# Altium PCB top_INA_v1.PcbDoc (part 4 of 4)
Units mil, origin at the board's own origin, x right, y up, seen from the top; angles counter-clockwise.
Board outline 13413.03 x 6200.01 mil, 2 copper layers (Top Layer, Bottom Layer); 588 components, 500 nets, 1582 pads, 343 vias.
Unrouted connection lines stored in the file: 191.
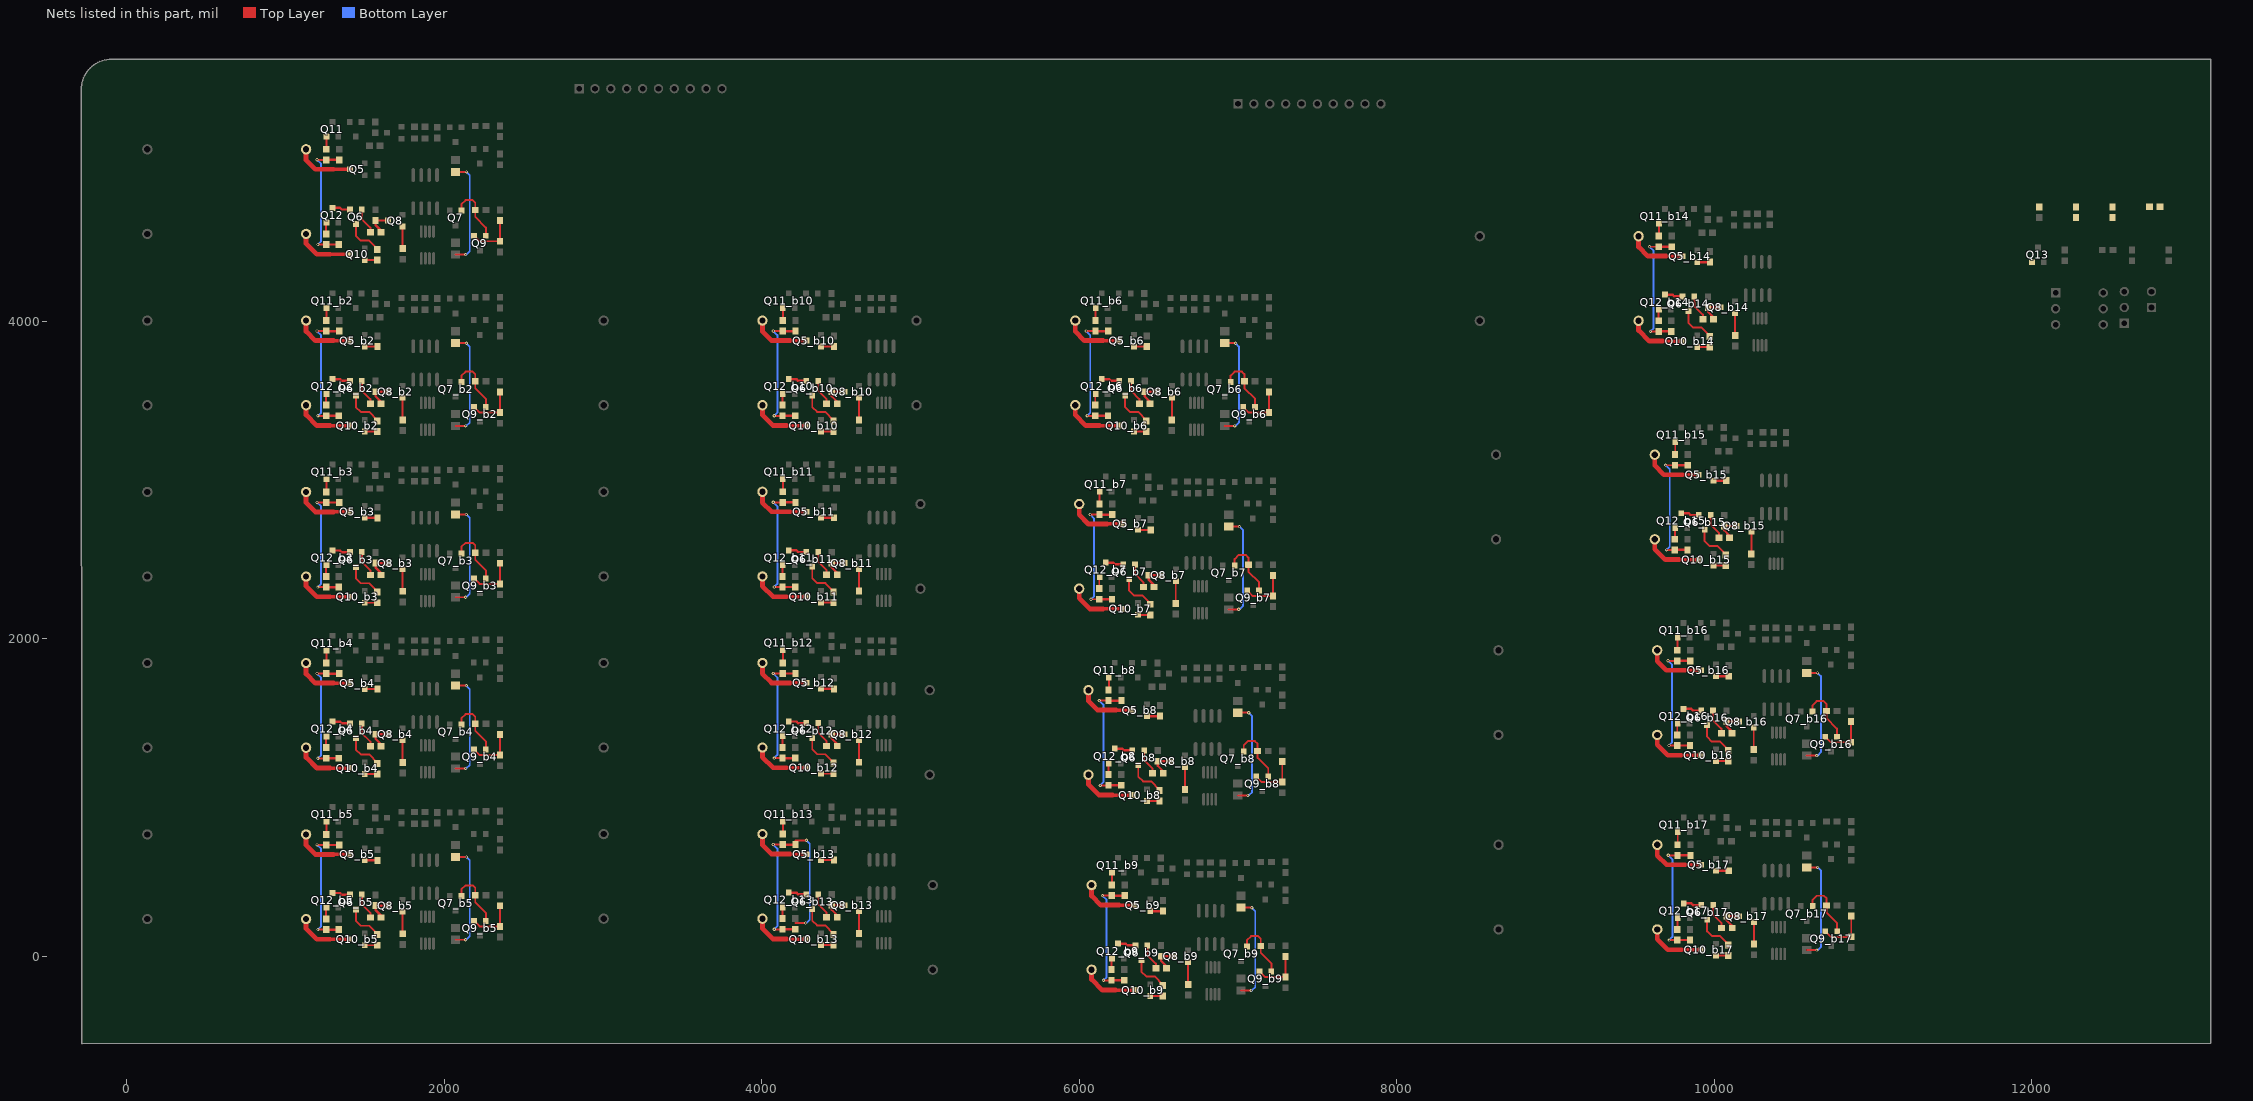
[diagram p4: the nets of this part, all layers, seen from the top]

## Via types
v1: diameter 20, hole 10, Top Layer to Bottom Layer, 290 vias
v2: diameter 40, hole 20, Top Layer to Bottom Layer, 51 vias
v3: diameter 125.98, hole 125.98, Top Layer to Bottom Layer, 2 vias

## Nets (pads, with @x,y where several pads share a name; then routed paths per layer and width w, separated by ;. In a path a pad name is that pad's centre, name@x,y a point inside that pad or via, vN(x,y) a via of type N, cw(c..) or ccw(c..) an arc to the next point about the centre after c; other vN are vias at no path point) (continued)
NetQ5_3: Q5.3 R1.1 | length 368.5
  Top Layer w22: 1305.72,4956.54 Q5.3@1407.61,4956.53
  Top Layer w30: R1.1@1131,5082.26 1131,5014.26 1188.72,4956.54 1305.72,4956.54
NetQ5_b2_1: Q5_b2.1 R11_b2.1 | length 80.5
  Top Layer w15: Q5_b2.1@1500.46,3839.8 R11_b2.1@1581,3839.8
NetQ5_b2_3: Q5_b2.3 R1_b2.1 | length 368.5
  Top Layer w22: 1305.72,3877.54 Q5_b2.3@1407.61,3877.53
  Top Layer w30: R1_b2.1@1131,4003.26 1131,3935.26 1188.72,3877.54 1305.72,3877.54
NetQ5_b3_1: Q5_b3.1 R11_b3.1 | length 80.5
  Top Layer w15: Q5_b3.1@1500.46,2760.8 R11_b3.1@1581,2760.8
NetQ5_b3_3: Q5_b3.3 R1_b3.1 | length 368.5
  Top Layer w22: 1305.72,2798.54 Q5_b3.3@1407.61,2798.53
  Top Layer w30: R1_b3.1@1131,2924.26 1131,2856.26 1188.72,2798.54 1305.72,2798.54
NetQ5_b4_1: Q5_b4.1 R11_b4.1 | length 80.5
  Top Layer w15: Q5_b4.1@1500.46,1682.8 R11_b4.1@1581,1682.8
NetQ5_b4_3: Q5_b4.3 R1_b4.1 | length 368.5
  Top Layer w22: 1305.72,1720.54 Q5_b4.3@1407.61,1720.53
  Top Layer w30: R1_b4.1@1131,1846.26 1131,1778.26 1188.72,1720.54 1305.72,1720.54
NetQ5_b5_1: Q5_b5.1 R11_b5.1 | length 80.5
  Top Layer w15: Q5_b5.1@1500.46,603.8 R11_b5.1@1581,603.8
NetQ5_b5_3: Q5_b5.3 R1_b5.1 | length 368.5
  Top Layer w22: 1305.72,641.54 Q5_b5.3@1407.61,641.53
  Top Layer w30: R1_b5.1@1131,767.26 1131,699.26 1188.72,641.54 1305.72,641.54
NetQ5_b6_1: Q5_b6.1 R11_b6.1 | length 80.5
  Top Layer w15: Q5_b6.1@6344.46,3839.8 R11_b6.1@6425,3839.8
NetQ5_b6_3: Q5_b6.3 R1_b6.1 | length 368.5
  Top Layer w22: 6149.72,3877.54 Q5_b6.3@6251.61,3877.53
  Top Layer w30: R1_b6.1@5975,4003.26 5975,3935.26 6032.72,3877.54 6149.72,3877.54
NetQ5_b7_1: Q5_b7.1 R11_b7.1 | length 80.5
  Top Layer w15: Q5_b7.1@6369.46,2684.54 R11_b7.1@6450,2684.54
NetQ5_b7_3: Q5_b7.3 R1_b7.1 | length 368.5
  Top Layer w22: 6174.72,2722.28 Q5_b7.3@6276.61,2722.28
  Top Layer w30: R1_b7.1@6000,2848 6000,2780 6057.72,2722.28 6174.72,2722.28
NetQ5_b8_1: Q5_b8.1 R11_b8.1 | length 80.5
  Top Layer w15: Q5_b8.1@6427.46,1512.54 R11_b8.1@6508,1512.54
NetQ5_b8_3: Q5_b8.3 R1_b8.1 | length 368.5
  Top Layer w22: 6232.72,1550.28 Q5_b8.3@6334.61,1550.27
  Top Layer w30: R1_b8.1@6058,1676 6058,1608 6115.72,1550.28 6232.72,1550.28
NetQ5_b9_1: Q5_b9.1 R11_b9.1 | length 80.5
  Top Layer w15: Q5_b9.1@6447.46,284.54 R11_b9.1@6528,284.54
NetQ5_b9_3: Q5_b9.3 R1_b9.1 | length 368.5
  Top Layer w22: 6252.72,322.28 Q5_b9.3@6354.61,322.28
  Top Layer w30: R1_b9.1@6078,448 6078,380 6135.72,322.28 6252.72,322.28
NetQ5_b10_1: Q5_b10.1 R11_b10.1 | length 80.5
  Top Layer w15: Q5_b10.1@4374.46,3839.8 R11_b10.1@4455,3839.8
NetQ5_b10_3: Q5_b10.3 R1_b10.1 | length 368.5
  Top Layer w22: 4179.72,3877.54 Q5_b10.3@4281.61,3877.53
  Top Layer w30: R1_b10.1@4005,4003.26 4005,3935.26 4062.72,3877.54 4179.72,3877.54
NetQ5_b11_1: Q5_b11.1 R11_b11.1 | length 80.5
  Top Layer w15: Q5_b11.1@4374.46,2761.8 R11_b11.1@4455,2761.8
NetQ5_b11_3: Q5_b11.3 R1_b11.1 | length 368.5
  Top Layer w22: 4179.72,2799.54 Q5_b11.3@4281.61,2799.53
  Top Layer w30: R1_b11.1@4005,2925.26 4005,2857.26 4062.72,2799.54 4179.72,2799.54
NetQ5_b12_1: Q5_b12.1 R11_b12.1 | length 80.5
  Top Layer w15: Q5_b12.1@4374.46,1683.8 R11_b12.1@4455,1683.8
NetQ5_b12_3: Q5_b12.3 R1_b12.1 | length 368.5
  Top Layer w22: 4179.72,1721.54 Q5_b12.3@4281.61,1721.53
  Top Layer w30: R1_b12.1@4005,1847.26 4005,1779.26 4062.72,1721.54 4179.72,1721.54
NetQ5_b13_1: Q5_b13.1 R11_b13.1 | length 80.5
  Top Layer w15: Q5_b13.1@4374.46,605.8 R11_b13.1@4455,605.8
NetQ5_b13_3: Q5_b13.3 R1_b13.1 | length 368.5
  Top Layer w22: 4179.72,643.54 Q5_b13.3@4281.61,643.53
  Top Layer w30: R1_b13.1@4005,769.26 4005,701.26 4062.72,643.54 4179.72,643.54
NetQ5_b14_1: Q5_b14.1 R11_b14.1 | length 80.5
  Top Layer w15: Q5_b14.1@9892.46,4371.54 R11_b14.1@9973,4371.54
NetQ5_b14_3: Q5_b14.3 R1_b14.1 | length 368.5
  Top Layer w22: 9697.72,4409.28 Q5_b14.3@9799.61,4409.27
  Top Layer w30: R1_b14.1@9523,4535 9523,4467 9580.72,4409.28 9697.72,4409.28
NetQ5_b15_1: Q5_b15.1 R11_b15.1 | length 80.5
  Top Layer w15: Q5_b15.1@9994.46,2995.28 R11_b15.1@10075,2995.28
NetQ5_b15_3: Q5_b15.3 R1_b15.1 | length 368.5
  Top Layer w22: 9799.72,3033.02 Q5_b15.3@9901.61,3033.02
  Top Layer w30: R1_b15.1@9625,3158.74 9625,3090.74 9682.72,3033.02 9799.72,3033.02
NetQ5_b16_1: Q5_b16.1 R11_b16.1 | length 80.5
  Top Layer w15: Q5_b16.1@10009.46,1763.54 R11_b16.1@10090,1763.54
NetQ5_b16_3: Q5_b16.3 R1_b16.1 | length 368.5
  Top Layer w22: 9814.72,1801.28 Q5_b16.3@9916.61,1801.28
  Top Layer w30: R1_b16.1@9640,1927 9640,1859 9697.72,1801.28 9814.72,1801.28
NetQ5_b17_1: Q5_b17.1 R11_b17.1 | length 80.5
  Top Layer w15: Q5_b17.1@10010.46,538.28 R11_b17.1@10091,538.28
NetQ5_b17_3: Q5_b17.3 R1_b17.1 | length 368.5
  Top Layer w22: 9815.72,576.02 Q5_b17.3@9917.61,576.02
  Top Layer w30: R1_b17.1@9641,701.74 9641,633.74 9698.72,576.02 9815.72,576.02
NetQ6_1: Q6.1 R37.2 | length 165.8
  Top Layer w12: Q6.1@1482.27,4702.8 1482.27,4641.6 1535.4,4588.46 R37.2@1535.4,4559
NetQ6_2: Q6.2 Q12.3 | length 114.9
  Top Layer w15: Q12.3@1297,4713.52 1344.74,4713.52 1355.46,4702.8 Q6.2@1407.46,4702.8
NetQ6_3: Q6.3 R23.2 | length 244.9
  Top Layer w12: Q6.3@1444.87,4610.28 1444.87,4537.54 1475.4,4507 1527.25,4507 1578.25,4456 R23.2@1578.25,4451
NetQ6_b2_1: Q6_b2.1 R37_b2.2 | length 165.8
  Top Layer w12: Q6_b2.1@1482.27,3623.8 1482.27,3562.6 1535.4,3509.46 R37_b2.2@1535.4,3480
NetQ6_b2_2: Q6_b2.2 Q12_b2.3 | length 114.9
  Top Layer w15: Q12_b2.3@1297,3634.52 1344.74,3634.52 1355.46,3623.8 Q6_b2.2@1407.46,3623.8
NetQ6_b2_3: Q6_b2.3 R23_b2.2 | length 244.9
  Top Layer w12: Q6_b2.3@1444.87,3531.28 1444.87,3458.54 1475.4,3428 1527.25,3428 1578.25,3377 R23_b2.2@1578.25,3372
NetQ6_b3_1: Q6_b3.1 R37_b3.2 | length 165.8
  Top Layer w12: Q6_b3.1@1482.27,2544.8 1482.27,2483.6 1535.4,2430.46 R37_b3.2@1535.4,2401
NetQ6_b3_2: Q6_b3.2 Q12_b3.3 | length 114.9
  Top Layer w15: Q12_b3.3@1297,2555.52 1344.74,2555.52 1355.46,2544.8 Q6_b3.2@1407.46,2544.8
NetQ6_b3_3: Q6_b3.3 R23_b3.2 | length 244.9
  Top Layer w12: Q6_b3.3@1444.87,2452.28 1444.87,2379.54 1475.4,2349 1527.25,2349 1578.25,2298 R23_b3.2@1578.25,2293
NetQ6_b4_1: Q6_b4.1 R37_b4.2 | length 165.8
  Top Layer w12: Q6_b4.1@1482.27,1466.8 1482.27,1405.6 1535.4,1352.46 R37_b4.2@1535.4,1323
NetQ6_b4_2: Q6_b4.2 Q12_b4.3 | length 114.9
  Top Layer w15: Q12_b4.3@1297,1477.52 1344.74,1477.52 1355.46,1466.8 Q6_b4.2@1407.46,1466.8
NetQ6_b4_3: Q6_b4.3 R23_b4.2 | length 244.9
  Top Layer w12: Q6_b4.3@1444.87,1374.28 1444.87,1301.54 1475.4,1271 1527.25,1271 1578.25,1220 R23_b4.2@1578.25,1215
NetQ6_b5_1: Q6_b5.1 R37_b5.2 | length 165.8
  Top Layer w12: Q6_b5.1@1482.27,387.8 1482.27,326.6 1535.4,273.46 R37_b5.2@1535.4,244
NetQ6_b5_2: Q6_b5.2 Q12_b5.3 | length 114.9
  Top Layer w15: Q12_b5.3@1297,398.52 1344.74,398.52 1355.46,387.8 Q6_b5.2@1407.46,387.8
NetQ6_b5_3: Q6_b5.3 R23_b5.2 | length 244.9
  Top Layer w12: Q6_b5.3@1444.87,295.28 1444.87,222.54 1475.4,192 1527.25,192 1578.25,141 R23_b5.2@1578.25,136
NetQ6_b6_1: Q6_b6.1 R37_b6.2 | length 165.8
  Top Layer w12: Q6_b6.1@6326.27,3623.8 6326.27,3562.6 6379.4,3509.46 R37_b6.2@6379.4,3480
NetQ6_b6_2: Q6_b6.2 Q12_b6.3 | length 114.9
  Top Layer w15: Q12_b6.3@6141,3634.52 6188.74,3634.52 6199.46,3623.8 Q6_b6.2@6251.46,3623.8
NetQ6_b6_3: Q6_b6.3 R23_b6.2 | length 244.9
  Top Layer w12: Q6_b6.3@6288.87,3531.28 6288.87,3458.54 6319.4,3428 6371.25,3428 6422.25,3377 R23_b6.2@6422.25,3372
NetQ6_b7_1: Q6_b7.1 R37_b7.2 | length 165.8
  Top Layer w12: Q6_b7.1@6351.27,2468.54 6351.27,2407.34 6404.4,2354.2 R37_b7.2@6404.4,2324.74
NetQ6_b7_2: Q6_b7.2 Q12_b7.3 | length 114.9
  Top Layer w15: Q12_b7.3@6166,2479.26 6213.74,2479.26 6224.46,2468.54 Q6_b7.2@6276.46,2468.54
NetQ6_b7_3: Q6_b7.3 R23_b7.2 | length 244.9
  Top Layer w12: Q6_b7.3@6313.87,2376.02 6313.87,2303.28 6344.4,2272.74 6396.25,2272.74 6447.25,2221.74 R23_b7.2@6447.25,2216.74
NetQ6_b8_1: Q6_b8.1 R37_b8.2 | length 165.8
  Top Layer w12: Q6_b8.1@6409.27,1296.54 6409.27,1235.34 6462.4,1182.2 R37_b8.2@6462.4,1152.74
NetQ6_b8_2: Q6_b8.2 Q12_b8.3 | length 114.9
  Top Layer w15: Q12_b8.3@6224,1307.26 6271.74,1307.26 6282.46,1296.54 Q6_b8.2@6334.46,1296.54
NetQ6_b8_3: Q6_b8.3 R23_b8.2 | length 244.9
  Top Layer w12: Q6_b8.3@6371.87,1204.02 6371.87,1131.28 6402.4,1100.74 6454.25,1100.74 6505.25,1049.74 R23_b8.2@6505.25,1044.74
NetQ6_b9_1: Q6_b9.1 R37_b9.2 | length 165.8
  Top Layer w12: Q6_b9.1@6429.27,68.54 6429.27,7.34 6482.4,-45.8 R37_b9.2@6482.4,-75.26
NetQ6_b9_2: Q6_b9.2 Q12_b9.3 | length 114.9
  Top Layer w15: Q12_b9.3@6244,79.26 6291.74,79.26 6302.46,68.54 Q6_b9.2@6354.46,68.54
NetQ6_b9_3: Q6_b9.3 R23_b9.2 | length 244.9
  Top Layer w12: Q6_b9.3@6391.87,-23.98 6391.87,-96.72 6422.4,-127.26 6474.25,-127.26 6525.25,-178.26 R23_b9.2@6525.25,-183.26
NetQ6_b10_1: Q6_b10.1 R37_b10.2 | length 165.8
  Top Layer w12: Q6_b10.1@4356.27,3623.8 4356.27,3562.6 4409.4,3509.46 R37_b10.2@4409.4,3480
NetQ6_b10_2: Q6_b10.2 Q12_b10.3 | length 114.9
  Top Layer w15: Q12_b10.3@4171,3634.52 4218.74,3634.52 4229.46,3623.8 Q6_b10.2@4281.46,3623.8
NetQ6_b10_3: Q6_b10.3 R23_b10.2 | length 244.9
  Top Layer w12: Q6_b10.3@4318.87,3531.28 4318.87,3458.54 4349.4,3428 4401.25,3428 4452.25,3377 R23_b10.2@4452.25,3372
NetQ6_b11_1: Q6_b11.1 R37_b11.2 | length 165.8
  Top Layer w12: Q6_b11.1@4356.27,2545.8 4356.27,2484.6 4409.4,2431.46 R37_b11.2@4409.4,2402
NetQ6_b11_2: Q6_b11.2 Q12_b11.3 | length 114.9
  Top Layer w15: Q12_b11.3@4171,2556.52 4218.74,2556.52 4229.46,2545.8 Q6_b11.2@4281.46,2545.8
NetQ6_b11_3: Q6_b11.3 R23_b11.2 | length 244.9
  Top Layer w12: Q6_b11.3@4318.87,2453.28 4318.87,2380.54 4349.4,2350 4401.25,2350 4452.25,2299 R23_b11.2@4452.25,2294
NetQ6_b12_1: Q6_b12.1 R37_b12.2 | length 165.8
  Top Layer w12: Q6_b12.1@4356.27,1467.8 4356.27,1406.6 4409.4,1353.46 R37_b12.2@4409.4,1324
NetQ6_b12_2: Q6_b12.2 Q12_b12.3 | length 114.9
  Top Layer w15: Q12_b12.3@4171,1478.52 4218.74,1478.52 4229.46,1467.8 Q6_b12.2@4281.46,1467.8
NetQ6_b12_3: Q6_b12.3 R23_b12.2 | length 244.9
  Top Layer w12: Q6_b12.3@4318.87,1375.28 4318.87,1302.54 4349.4,1272 4401.25,1272 4452.25,1221 R23_b12.2@4452.25,1216
NetQ6_b13_1: Q6_b13.1 R37_b13.2 | length 165.8
  Top Layer w12: Q6_b13.1@4356.27,389.8 4356.27,328.6 4409.4,275.46 R37_b13.2@4409.4,246
NetQ6_b13_2: Q6_b13.2 Q12_b13.3 | length 114.9
  Top Layer w15: Q12_b13.3@4171,400.52 4218.74,400.52 4229.46,389.8 Q6_b13.2@4281.46,389.8
NetQ6_b13_3: Q6_b13.3 R23_b13.2 | length 244.9
  Top Layer w12: Q6_b13.3@4318.87,297.28 4318.87,224.54 4349.4,194 4401.25,194 4452.25,143 R23_b13.2@4452.25,138
NetQ6_b14_1: Q6_b14.1 R37_b14.2 | length 165.8
  Top Layer w12: Q6_b14.1@9874.27,4155.54 9874.27,4094.34 9927.4,4041.2 R37_b14.2@9927.4,4011.74
NetQ6_b14_2: Q6_b14.2 Q12_b14.3 | length 114.9
  Top Layer w15: Q12_b14.3@9689,4166.26 9736.74,4166.26 9747.46,4155.54 Q6_b14.2@9799.46,4155.54
NetQ6_b14_3: Q6_b14.3 R23_b14.2 | length 244.9
  Top Layer w12: Q6_b14.3@9836.87,4063.02 9836.87,3990.28 9867.4,3959.74 9919.25,3959.74 9970.25,3908.74 R23_b14.2@9970.25,3903.74
NetQ6_b15_1: Q6_b15.1 R37_b15.2 | length 165.8
  Top Layer w12: Q6_b15.1@9976.27,2779.28 9976.27,2718.08 10029.4,2664.94 R37_b15.2@10029.4,2635.48
NetQ6_b15_2: Q6_b15.2 Q12_b15.3 | length 114.9
  Top Layer w15: Q12_b15.3@9791,2790 9838.74,2790 9849.46,2779.28 Q6_b15.2@9901.46,2779.28
NetQ6_b15_3: Q6_b15.3 R23_b15.2 | length 244.9
  Top Layer w12: Q6_b15.3@9938.87,2686.76 9938.87,2614.02 9969.4,2583.48 10021.25,2583.48 10072.25,2532.48 R23_b15.2@10072.25,2527.48
NetQ6_b16_1: Q6_b16.1 R37_b16.2 | length 165.8
  Top Layer w12: Q6_b16.1@9991.27,1547.54 9991.27,1486.34 10044.4,1433.2 R37_b16.2@10044.4,1403.74
NetQ6_b16_2: Q6_b16.2 Q12_b16.3 | length 114.9
  Top Layer w15: Q12_b16.3@9806,1558.26 9853.74,1558.26 9864.46,1547.54 Q6_b16.2@9916.46,1547.54
NetQ6_b16_3: Q6_b16.3 R23_b16.2 | length 244.9
  Top Layer w12: Q6_b16.3@9953.87,1455.02 9953.87,1382.28 9984.4,1351.74 10036.25,1351.74 10087.25,1300.74 R23_b16.2@10087.25,1295.74
NetQ6_b17_1: Q6_b17.1 R37_b17.2 | length 165.8
  Top Layer w12: Q6_b17.1@9992.27,322.28 9992.27,261.08 10045.4,207.94 R37_b17.2@10045.4,178.48
NetQ6_b17_2: Q6_b17.2 Q12_b17.3 | length 114.9
  Top Layer w15: Q12_b17.3@9807,333 9854.74,333 9865.46,322.28 Q6_b17.2@9917.46,322.28
NetQ6_b17_3: Q6_b17.3 R23_b17.2 | length 244.9
  Top Layer w12: Q6_b17.3@9954.87,229.76 9954.87,157.02 9985.4,126.48 10037.25,126.48 10088.25,75.48 R23_b17.2@10088.25,70.48
NetQ7_1: Q7.1 Q9.1 R20.1 | length 379.6
  Top Layer w12: Q7.1@2109.27,4695.8 2109.27,4735.94 2134.87,4761.54 2179.87,4761.54 2196.4,4745 R20.1@2196.4,4699.54 2196.4,4656 2263.27,4589.13 Q9.1@2263.27,4537.8
NetQ7_b2_1: Q7_b2.1 Q9_b2.1 R20_b2.1 | length 379.6
  Top Layer w12: Q7_b2.1@2109.27,3616.8 2109.27,3656.94 2134.87,3682.54 2179.87,3682.54 2196.4,3666 R20_b2.1@2196.4,3620.54 2196.4,3577 2263.27,3510.13 Q9_b2.1@2263.27,3458.8
NetQ7_b3_1: Q7_b3.1 Q9_b3.1 R20_b3.1 | length 379.6
  Top Layer w12: Q7_b3.1@2109.27,2537.8 2109.27,2577.94 2134.87,2603.54 2179.87,2603.54 2196.4,2587 R20_b3.1@2196.4,2541.54 2196.4,2498 2263.27,2431.13 Q9_b3.1@2263.27,2379.8
NetQ7_b4_1: Q7_b4.1 Q9_b4.1 R20_b4.1 | length 379.6
  Top Layer w12: Q7_b4.1@2109.27,1459.8 2109.27,1499.94 2134.87,1525.54 2179.87,1525.54 2196.4,1509 R20_b4.1@2196.4,1463.54 2196.4,1420 2263.27,1353.13 Q9_b4.1@2263.27,1301.8
NetQ7_b5_1: Q7_b5.1 Q9_b5.1 R20_b5.1 | length 379.6
  Top Layer w12: Q7_b5.1@2109.27,380.8 2109.27,420.94 2134.87,446.54 2179.87,446.54 2196.4,430 R20_b5.1@2196.4,384.54 2196.4,341 2263.27,274.13 Q9_b5.1@2263.27,222.8
NetQ7_b6_1: Q7_b6.1 Q9_b6.1 R20_b6.1 | length 379.6
  Top Layer w12: Q7_b6.1@6953.27,3616.8 6953.27,3656.94 6978.87,3682.54 7023.87,3682.54 7040.4,3666 R20_b6.1@7040.4,3620.54 7040.4,3577 7107.27,3510.13 Q9_b6.1@7107.27,3458.8
NetQ7_b7_1: Q7_b7.1 Q9_b7.1 R20_b7.1 | length 379.6
  Top Layer w12: Q7_b7.1@6978.27,2461.54 6978.27,2501.68 7003.87,2527.28 7048.87,2527.28 7065.4,2510.74 R20_b7.1@7065.4,2465.28 7065.4,2421.74 7132.27,2354.87 Q9_b7.1@7132.27,2303.54
NetQ7_b8_1: Q7_b8.1 Q9_b8.1 R20_b8.1 | length 379.6
  Top Layer w12: Q7_b8.1@7036.27,1289.54 7036.27,1329.68 7061.87,1355.28 7106.87,1355.28 7123.4,1338.74 R20_b8.1@7123.4,1293.28 7123.4,1249.74 7190.27,1182.87 Q9_b8.1@7190.27,1131.54
NetQ7_b9_1: Q7_b9.1 Q9_b9.1 R20_b9.1 | length 379.6
  Top Layer w12: Q7_b9.1@7056.27,61.54 7056.27,101.68 7081.87,127.28 7126.87,127.28 7143.4,110.74 R20_b9.1@7143.4,65.28 7143.4,21.74 7210.27,-45.13 Q9_b9.1@7210.27,-96.46
NetQ7_b10_1: 
NetQ7_b11_1: 
NetQ7_b12_1: 
NetQ7_b13_1: 
NetQ7_b14_1: 
NetQ7_b15_1: 
NetQ7_b16_1: Q7_b16.1 Q9_b16.1 R20_b16.1 | length 379.6
  Top Layer w12: Q7_b16.1@10618.27,1540.54 10618.27,1580.68 10643.87,1606.28 10688.87,1606.28 10705.4,1589.74 R20_b16.1@10705.4,1544.28 10705.4,1500.74 10772.27,1433.87 Q9_b16.1@10772.27,1382.54
NetQ7_b17_1: Q7_b17.1 Q9_b17.1 R20_b17.1 | length 379.6
  Top Layer w12: Q7_b17.1@10619.27,315.28 10619.27,355.42 10644.87,381.02 10689.87,381.02 10706.4,364.48 R20_b17.1@10706.4,319.02 10706.4,275.48 10773.27,208.61 Q9_b17.1@10773.27,157.28
NetQ8_1: Q8.1 R22.2 | length 139.2
  Top Layer w12: R22.2@1738.87,4457 1739.13,4457.26 Q8.1@1739.13,4596.13
NetQ8_3: Q8.3 R19.1 R37.1 | length 168.3
  Top Layer w15: R37.1@1602.33,4559 1602.33,4571.54 1567.87,4606 R19.1@1567.87,4634.07 1568.4,4633.54 Q8.3@1646.61,4633.53
NetQ8_b2_1: Q8_b2.1 R22_b2.2 | length 139.2
  Top Layer w12: R22_b2.2@1738.87,3378 1739.13,3378.26 Q8_b2.1@1739.13,3517.13
NetQ8_b2_3: Q8_b2.3 R19_b2.1 R37_b2.1 | length 168.3
  Top Layer w15: R37_b2.1@1602.33,3480 1602.33,3492.54 1567.87,3527 R19_b2.1@1567.87,3555.07 1568.4,3554.54 Q8_b2.3@1646.61,3554.53
NetQ8_b3_1: Q8_b3.1 R22_b3.2 | length 139.2
  Top Layer w12: R22_b3.2@1738.87,2299 1739.13,2299.26 Q8_b3.1@1739.13,2438.13
NetQ8_b3_3: Q8_b3.3 R19_b3.1 R37_b3.1 | length 168.3
  Top Layer w15: R37_b3.1@1602.33,2401 1602.33,2413.54 1567.87,2448 R19_b3.1@1567.87,2476.07 1568.4,2475.54 Q8_b3.3@1646.61,2475.53
NetQ8_b4_1: Q8_b4.1 R22_b4.2 | length 139.2
  Top Layer w12: R22_b4.2@1738.87,1221 1739.13,1221.26 Q8_b4.1@1739.13,1360.13
NetQ8_b4_3: Q8_b4.3 R19_b4.1 R37_b4.1 | length 168.3
  Top Layer w15: R37_b4.1@1602.33,1323 1602.33,1335.54 1567.87,1370 R19_b4.1@1567.87,1398.07 1568.4,1397.54 Q8_b4.3@1646.61,1397.53
NetQ8_b5_1: Q8_b5.1 R22_b5.2 | length 139.2
  Top Layer w12: R22_b5.2@1738.87,142 1739.13,142.26 Q8_b5.1@1739.13,281.13
NetQ8_b5_3: Q8_b5.3 R19_b5.1 R37_b5.1 | length 168.3
  Top Layer w15: R37_b5.1@1602.33,244 1602.33,256.54 1567.87,291 R19_b5.1@1567.87,319.07 1568.4,318.54 Q8_b5.3@1646.61,318.53
NetQ8_b6_1: Q8_b6.1 R22_b6.2 | length 139.2
  Top Layer w12: R22_b6.2@6582.87,3378 6583.13,3378.26 Q8_b6.1@6583.13,3517.13
NetQ8_b6_3: Q8_b6.3 R19_b6.1 R37_b6.1 | length 168.3
  Top Layer w15: R37_b6.1@6446.33,3480 6446.33,3492.54 6411.87,3527 R19_b6.1@6411.87,3555.07 6412.4,3554.54 Q8_b6.3@6490.61,3554.53
NetQ8_b7_1: Q8_b7.1 R22_b7.2 | length 139.2
  Top Layer w12: R22_b7.2@6607.87,2222.74 6608.13,2223 Q8_b7.1@6608.13,2361.87
NetQ8_b7_3: Q8_b7.3 R19_b7.1 R37_b7.1 | length 168.3
  Top Layer w15: R37_b7.1@6471.33,2324.74 6471.33,2337.28 6436.87,2371.74 R19_b7.1@6436.87,2399.81 6437.4,2399.28 Q8_b7.3@6515.61,2399.28
NetQ8_b8_1: Q8_b8.1 R22_b8.2 | length 139.2
  Top Layer w12: R22_b8.2@6665.87,1050.74 6666.13,1051 Q8_b8.1@6666.13,1189.87
NetQ8_b8_3: Q8_b8.3 R19_b8.1 R37_b8.1 | length 168.3
  Top Layer w15: R37_b8.1@6529.33,1152.74 6529.33,1165.28 6494.87,1199.74 R19_b8.1@6494.87,1227.81 6495.4,1227.28 Q8_b8.3@6573.61,1227.27
NetQ8_b9_1: Q8_b9.1 R22_b9.2 | length 139.2
  Top Layer w12: R22_b9.2@6685.87,-177.26 6686.13,-177 Q8_b9.1@6686.13,-38.13
NetQ8_b9_3: Q8_b9.3 R19_b9.1 R37_b9.1 | length 168.3
  Top Layer w15: R37_b9.1@6549.33,-75.26 6549.33,-62.72 6514.87,-28.26 R19_b9.1@6514.87,-0.19 6515.4,-0.72 Q8_b9.3@6593.61,-0.72
NetQ8_b10_1: Q8_b10.1 R22_b10.2 | length 139.2
  Top Layer w12: R22_b10.2@4612.87,3378 4613.13,3378.26 Q8_b10.1@4613.13,3517.13
NetQ8_b10_3: Q8_b10.3 R19_b10.1 R37_b10.1 | length 168.3
  Top Layer w15: R37_b10.1@4476.33,3480 4476.33,3492.54 4441.87,3527 R19_b10.1@4441.87,3555.07 4442.4,3554.54 Q8_b10.3@4520.61,3554.53